# KiCad board pcb-rounded.kicad_pcb (continued)
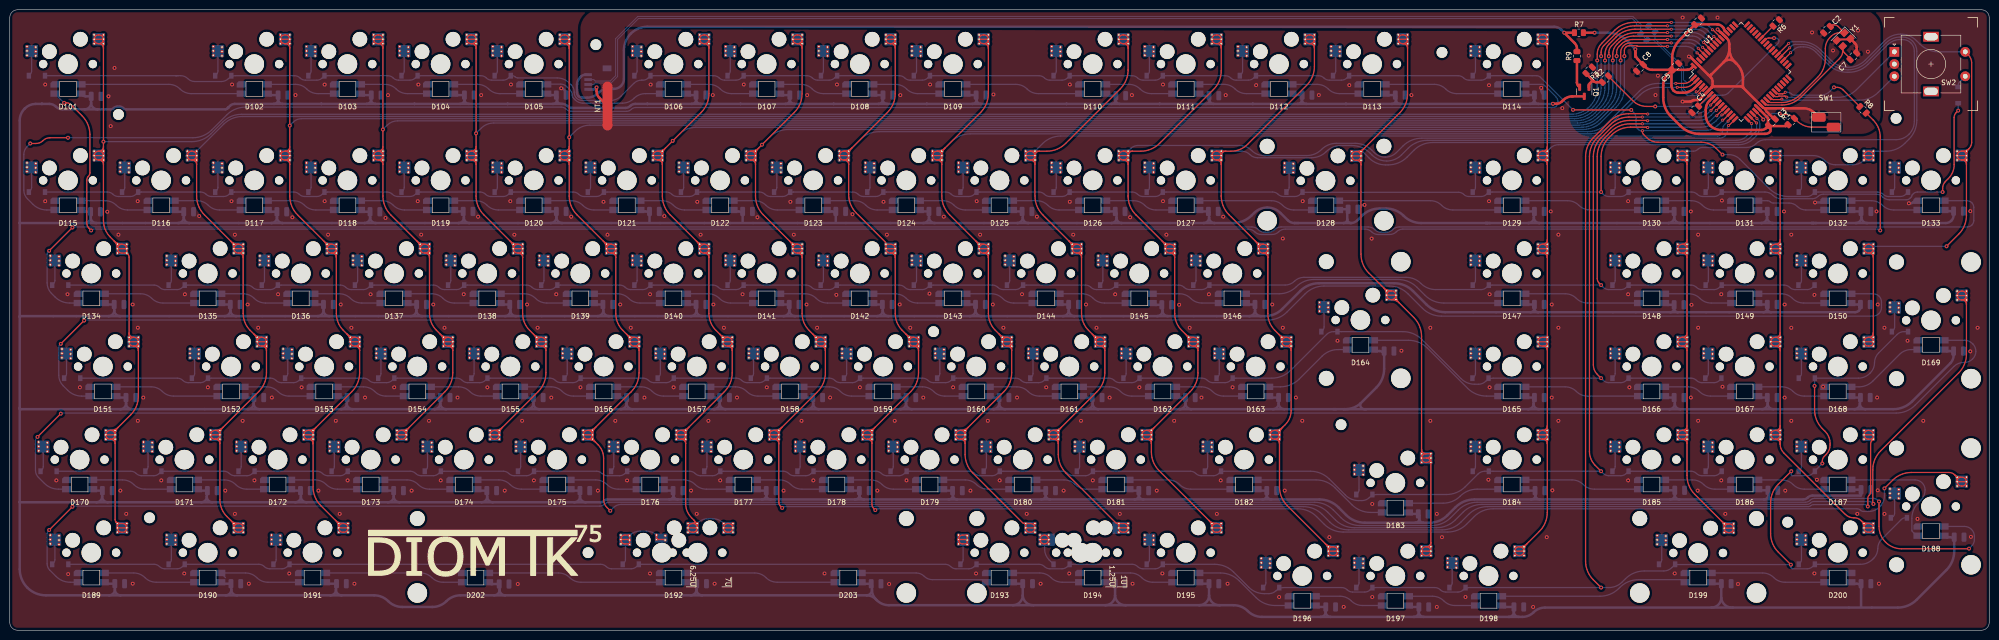
[diagram p0: board, top side]
## Placement (name value [footprint] x y rotation side) (continued)
MX78  MX-NoLED  [Kailh-Hotswap-1U]  169.07 34.93 0 top
MX79  MX-NoLED  [Kailh-Hotswap-1U]  188.12 34.93 0 top
MX80  MX-NoLED  [Kailh-Hotswap-1U]  207.17 34.93 0 top
MX81  MX-NoLED  [Kailh-Hotswap-1U]  226.22 34.93 0 top
MX82  MX-NoLED  [Kailh-Hotswap-1.75U]  252.41 34.93 0 top
MX83  MX-NoLED  [Kailh-Hotswap-1U]  283.37 30.16 0 top
MX84  MX-NoLED  [Kailh-Hotswap-1U]  307.18 34.93 0 top
MX85  MX-NoLED  [Kailh-Hotswap-1U]  335.76 34.93 0 top
MX86  MX-NoLED  [Kailh-Hotswap-1U]  354.81 34.93 0 top
MX87  MX-NoLED  [Kailh-Hotswap-1U]  373.86 34.93 0 top
MX88  MX-NoLED  [Kailh-Hotswap-2U-Vertical]  392.91 25.4 0 top
MX89  MX-NoLED  [Kailh-Hotswap-1.5U]  16.67 15.88 0 top
MX90  MX-NoLED  [Kailh-Hotswap-1U]  40.48 15.88 0 top
MX91  MX-NoLED  [Kailh-Hotswap-1.25U]  61.91 15.88 0 top
MX92  MX-NoLED  [Kailh-Hotswap-6.25U-7U]  133.35 15.88 0 top
MX93  MX-NoLED  [Kailh-Hotswap-1U]  202.41 15.88 0 top
MX94  MX-NoLED  [Kailh-Hotswap-1U-1.25U]  221.46 15.88 0 top
MX95  MX-NoLED  [Kailh-Hotswap-1U]  240.51 15.88 0 top
MX96  MX-NoLED  [Kailh-Hotswap-1U]  264.32 11.11 0 top
MX97  MX-NoLED  [Kailh-Hotswap-1U]  283.37 11.11 0 top
MX98  MX-NoLED  [Kailh-Hotswap-1U]  302.42 11.11 0 top
MX99  MX-NoLED  [Kailh-Hotswap-2U]  345.28 15.88 0 top
MX100  MX-NoLED  [Kailh-Hotswap-1U]  373.86 15.88 0 top
NT1  NetTie_3  [NetTie-3_SMD_Pad2.0mm]  122.24 107.31 90 top
Q1  2N7002  [SOT-23]  322 110.21 270 top
R1  10k  [R_0805_2012Metric]  364.33 104.13 45 top
R2  10k  [R_0805_2012Metric]  326.3 112.81 45 top
R3  10k  [R_0805_2012Metric]  323 114.61 225 top
R4  22  [R_0805_2012Metric]  334.17 121.44 135 bottom
R5  22  [R_0805_2012Metric]  335.8 123.11 135 bottom
R6  10k  [R_0805_2012Metric]  361.24 124.31 225 top
R7  60  [R_0805_2012Metric]  320.9 122.31 0 top
R8  50  [R_0805_2012Metric]  379 106.51 315 top
R9  46  [R_0805_2012Metric]  320.5 117.51 90 top
SW1  SW_Push  [switch_without_switch]  371.48 103.98 0 top
SW2  RotaryEncoder_Switch  [RotaryEncoder_EC11E-Switch]  392.91 115.89 0 top
U1  AT90USB1286-AU  [TQFP-64_14x14mm_P0.8mm]  354.08 114.3 45 top
Y1  Crystal_GND24_Small  [Crystal_SMD_3225-4Pin_3.2x2.5mm]  375.03 120.91 225 top

## Library data of the parts
C1 C9-C109 = -: LCSC Part: C476766
C2 C7 = -: LCSC Part: C376875
C3 C5 C6 = -: LCSC Part: C38141
C4 = -: LCSC Part: C713511
C8 = -: LCSC Part: C307525
D1 = -: Item: 1N4148W; LCSC: https://lcsc.com/product-detail/Switching-Diode_GOODWORK-1N4148W_C909967.html; LCSC Part: C77978; Name: Esc
D2 = -: LCSC Part: C77978; Name: F1
D3 = -: LCSC Part: C77978; Name: F2
D4 = -: LCSC Part: C77978; Name: F3
D5 = -: LCSC Part: C77978; Name: F4
D6 = -: LCSC Part: C77978; Name: F5
D7 = -: LCSC Part: C77978; Name: F6
D8 = -: LCSC Part: C77978; Name: F7
D9 = -: LCSC Part: C77978; Name: F8
D10 = -: LCSC Part: C77978; Name: F9
D11 = -: LCSC Part: C77978; Name: F10
D12 = -: LCSC Part: C77978; Name: F11
D13 = -: LCSC Part: C77978; Name: F12
D14 = -: LCSC Part: C77978; Name: Print
D15 = -: LCSC Part: C77978; Name: ^
D16 D85 = -: LCSC Part: C77978; Name: 1
D17 D86 = -: LCSC Part: C77978; Name: 2
D18 D87 = -: LCSC Part: C77978; Name: 3
D19 D66 = -: LCSC Part: C77978; Name: 4
D20 D67 = -: LCSC Part: C77978; Name: 5
D21 D68 = -: LCSC Part: C77978; Name: 6
D22 D48 = -: LCSC Part: C77978; Name: 7
D23 D49 = -: LCSC Part: C77978; Name: 8
D24 D50 = -: LCSC Part: C77978; Name: 9
D25 D99 = -: LCSC Part: C77978; Name: 0
D26 D33 = -: LCSC Part: C77978; Name: -
D27 = -: LCSC Part: C77978; Name: =
D28 = -: LCSC Part: C77978; Name: Back
D29 = -: LCSC Part: C77978; Name: Insert
D30 = -: LCSC Part: C77978; Name: NumLock
D31 D81 = -: LCSC Part: C77978; Name: /
D32 = -: LCSC Part: C77978; Name: *
D34 = -: LCSC Part: C77978; Name: Tab
D35 = -: LCSC Part: C77978; Name: Q
D36 = -: LCSC Part: C77978; Name: W
D37 = -: LCSC Part: C77978; Name: E
D38 = -: LCSC Part: C77978; Name: R
D39 = -: LCSC Part: C77978; Name: T
D40 = -: LCSC Part: C77978; Name: Z
D41 = -: LCSC Part: C77978; Name: U
D42 = -: LCSC Part: C77978; Name: I
D43 = -: LCSC Part: C77978; Name: O
D44 = -: LCSC Part: C77978; Name: P
D45 = -: LCSC Part: C77978; Name: [
D46 = -: LCSC Part: C77978; Name: ]
D47 = -: LCSC Part: C77978; Name: Del
D51 = -: LCSC Part: C77978; Name: Caps
D52 = -: LCSC Part: C77978; Name: A
D53 = -: LCSC Part: C77978; Name: S
D54 = -: LCSC Part: C77978; Name: D
D55 = -: LCSC Part: C77978; Name: F
D56 = -: LCSC Part: C77978; Name: G
D57 = -: LCSC Part: C77978; Name: H
D58 = -: LCSC Part: C77978; Name: J
D59 = -: LCSC Part: C77978; Name: K
D60 = -: LCSC Part: C77978; Name: L
D61 = -: LCSC Part: C77978; Name: ;
D62 = -: LCSC Part: C77978; Name: '
D63 = -: LCSC Part: C77978; Name: #
D64 D88 = -: LCSC Part: C77978; Name: Enter
D65 = -: LCSC Part: C77978; Name: PgUp
D69 = -: LCSC Part: C77978; Name: +
D70 D82 = -: LCSC Part: C77978; Name: Shift
D71 = -: LCSC Part: C77978; Name: \
D72 = -: LCSC Part: C77978; Name: Y
D73 = -: LCSC Part: C77978; Name: X
D74 = -: LCSC Part: C77978; Name: C
D75 = -: LCSC Part: C77978; Name: V
D76 = -: LCSC Part: C77978; Name: B
D77 = -: LCSC Part: C77978; Name: N
D78 = -: LCSC Part: C77978; Name: M
D79 D100 = -: LCSC Part: C77978; Name: ,
D80 = -: LCSC Part: C77978; Name: .
D83 = -: LCSC Part: C77978; Name: Up
D84 = -: LCSC Part: C77978; Name: PgDn
D89 = -: LCSC Part: C77978; Name: Ctrl
D90 D95 = -: LCSC Part: C77978; Name: Win
D91 = -: LCSC Part: C77978; Name: Alt
D92 = -: LCSC Part: C77978; Name: Space
D93 = -: LCSC Part: C77978; Name: AltGr
D94 = -: LCSC Part: C77978; Name: Fn
D96 = -: LCSC Part: C77978; Name: Left
D97 = -: LCSC Part: C77978; Name: Down
D98 = -: LCSC Part: C77978; Name: Rigth
D201 = -: LCSC Part: C77978; Name: Rotary
Q1 = -: LCSC Part: C916396
R1-R3 R6 R9 = -: LCSC Part: C2907219
R4 R5 = -: LCSC Part: C2933536
SW2 = -: LCSC Part: C470754
Y1 = -: LCSC Part: C293959

## Footprints (pads in the part's own frame, mm; a bottom-side part is the same pattern mirrored in y, then rotated)
C_0805_2012Metric
  rrect 1x1.45 smd: 1(-0.95,0) 2(0.95,0)
Crystal_SMD_3225-4Pin_3.2x2.5mm
  rect 1.4x1.2 smd: 1(-1.1,-0.85) 2(1.1,-0.85) 3(1.1,0.85) 4(-1.1,0.85)
D_SOD-123
  rect 0.9x1.2 smd: 1(-1.65,0) 2(1.65,0)
JST-SR-4
  rect 1.2x1.8 smd: (-2.8,0.9) (2.8,0.9)
  rect 0.6x1.55 smd: 1(-1.5,4.775) 2(-0.5,4.775) 3(0.5,4.775) 4(1.5,4.775)
Kailh-Hotswap-1.5U
  round 1.702 hole 1.702 unplated: (-5.08,0) (5.08,0)
  round 3 hole 3 unplated: (-3.81,2.54) (2.54,5.08)
  round 3.988 hole 3.988 unplated: (0,0)
  round 0.6 hole 0.3: 1(5.35,5.975) 1(5.35,5.075) 1(5.35,4.175) 1(7.25,5.975) 1(7.25,5.075) 1(7.25,4.175) 2(-8.38,3.595) 2(-8.38,2.695) 2(-8.38,1.795) 2(-6.6,3.475) 2(-6.6,2.575) 2(-6.6,1.675)
  rect 2.55x2.5 smd far side: 1(6.29,5.08) 2(-7.44,2.66)
Kailh-Hotswap-1.25U
  round 1.702 hole 1.702 unplated: (-5.08,0) (5.08,0)
  round 3 hole 3 unplated: (-3.81,2.54) (2.54,5.08)
  round 3.988 hole 3.988 unplated: (0,0)
  round 0.6 hole 0.3: 1(5.35,5.975) 1(5.35,5.075) 1(5.35,4.175) 1(7.25,5.975) 1(7.25,5.075) 1(7.25,4.175) 2(-8.38,3.595) 2(-8.38,2.695) 2(-8.38,1.795) 2(-6.6,3.475) 2(-6.6,2.575) 2(-6.6,1.675)
  rect 2.55x2.5 smd far side: 1(6.29,5.08) 2(-7.44,2.66)
Kailh-Hotswap-1.75U
  round 1.702 hole 1.702 unplated: (-5.08,0) (5.08,0)
  round 3 hole 3 unplated: (-3.81,2.54) (2.54,5.08)
  round 3.988 hole 3.988 unplated: (0,0)
  round 0.6 hole 0.3: 1(5.35,5.975) 1(5.35,5.075) 1(5.35,4.175) 1(7.25,5.975) 1(7.25,5.075) 1(7.25,4.175) 2(-8.38,3.595) 2(-8.38,2.695) 2(-8.38,1.795) 2(-6.6,3.475) 2(-6.6,2.575) 2(-6.6,1.675)
  rect 2.55x2.5 smd far side: 1(6.29,5.08) 2(-7.44,2.66)
Kailh-Hotswap-1U
  round 1.702 hole 1.702 unplated: (-5.08,0) (5.08,0)
  round 3 hole 3 unplated: (-3.81,2.54) (2.54,5.08)
  round 3.988 hole 3.988 unplated: (0,0)
  round 0.6 hole 0.3: 1(5.35,5.975) 1(5.35,5.075) 1(5.35,4.175) 1(7.25,5.975) 1(7.25,5.075) 1(7.25,4.175) 2(-8.38,3.595) 2(-8.38,2.695) 2(-8.38,1.795) 2(-6.6,3.475) 2(-6.6,2.575) 2(-6.6,1.675)
  rect 2.55x2.5 smd far side: 1(6.29,5.08) 2(-7.44,2.66)
Kailh-Hotswap-1U-1.25U
  round 1.702 hole 1.702 unplated: (-7.461,0) (-5.08,0) (2.699,0) (5.08,0)
  round 3 hole 3 unplated: (-6.191,2.54) (-3.81,2.54) (0.159,5.08) (2.54,5.08)
  round 3.988 hole 3.988 unplated: (-2.381,0) (0,0)
  round 0.6 hole 0.3: 1(5.35,5.975) 1(5.35,5.075) 1(5.35,4.175) 1(7.25,5.975) 1(7.25,5.075) 1(7.25,4.175) 2(-10.761,3.595) 2(-10.761,2.695) 2(-10.761,1.795) 2(-8.981,3.595) 2(-8.981,2.66) 2(-8.981,1.795)
  rect 3.501x2.5 smd far side: 1(5.814,5.08)
  rect 3.349x2.5 smd far side: 2(-9.422,2.66)
Kailh-Hotswap-2U
  round 3.048 hole 3.048 unplated: (-11.938,6.985) (11.938,6.985)
  round 3.988 hole 3.988 unplated: (-11.938,-8.255) (0,-0.066) (11.938,-8.255)
  round 1.702 hole 1.702 unplated: (-5.08,-0.066) (5.08,-0.066)
  round 3 hole 3 unplated: (-3.81,2.474) (2.54,5.014)
  round 0.6 hole 0.3: 1(5.35,5.909) 1(5.35,5.009) 1(5.35,4.109) 1(7.25,5.909) 1(7.25,5.009) 1(7.25,4.109) 2(-8.38,3.529) 2(-8.38,2.629) 2(-8.38,1.729) 2(-6.6,3.409) 2(-6.6,2.509) 2(-6.6,1.609)
  rect 2.55x2.5 smd far side: 1(6.29,5.014) 2(-7.44,2.594)
Kailh-Hotswap-2U-Vertical
  round 3.048 hole 3.048 unplated: (-7.051,11.872) (-7.051,-12.004)
  round 1.702 hole 1.702 unplated: (-5.08,-0.066) (5.08,-0.066)
  round 3 hole 3 unplated: (-3.81,2.474) (2.54,5.014)
  round 3.988 hole 3.988 unplated: (0,-0.066) (8.189,11.872) (8.189,-12.004)
  round 0.6 hole 0.3: 1(5.35,5.909) 1(5.35,5.009) 1(5.35,4.109) 1(7.25,5.909) 1(7.25,5.009) 1(7.25,4.109) 2(-8.38,3.529) 2(-8.38,2.629) 2(-8.38,1.729) 2(-6.6,3.409) 2(-6.6,2.509) 2(-6.6,1.609)
  rect 2.55x2.5 smd far side: 1(6.29,5.014) 2(-7.44,2.594)
Kailh-Hotswap-6.25U-7U
  round 3.048 hole 3.048 unplated: (-50,6.985) (50,6.985) (64.438,6.985)
  round 3.988 hole 3.988 unplated: (-50,-8.255) (0,0) (7.287,0) (50,-8.255) (64.438,-8.255)
  round 1.702 hole 1.702 unplated: (-5.08,0) (2.208,0) (5.08,0) (12.367,0)
  round 3 hole 3 unplated: (-3.81,2.54) (2.54,5.08) (3.478,2.54) (9.828,5.08)
  round 0.6 hole 0.3: 1(5.35,5.975) 1(5.35,5.075) 1(5.35,4.175) 1(7.25,5.975) 1(7.25,5.075) 1(7.25,4.175) 1(12.637,5.975) 1(12.637,5.075) 1(12.637,4.175) 1(14.537,5.975) 1(14.537,5.075) 1(14.537,4.175) 2(-8.38,3.595) 2(-8.38,2.695) 2(-8.38,1.795) 2(-6.6,3.475) 2(-6.6,2.575) 2(-6.6,1.675) 2(-1.093,3.595) 2(-1.093,2.695) 2(0.688,3.475) 2(0.688,2.575)
  rect 2.55x2.5 smd far side: 1(6.29,5.08) 1(13.578,5.08) 2(-7.44,2.66)
  rect 2.571x1.878 smd far side: 2(-0.142,2.971)
Kailh-Hotswap-EnterISO
  round 3.048 hole 3.048 unplated: (-6.985,11.938) (-6.985,-11.938)
  round 1.702 hole 1.702 unplated: (-5.08,0) (5.08,0)
  round 3 hole 3 unplated: (-3.81,2.54) (2.54,5.08)
  round 3.988 hole 3.988 unplated: (0,0) (8.255,11.938) (8.255,-11.938)
  round 0.6 hole 0.3: 1(5.35,5.975) 1(5.35,5.075) 1(5.35,4.175) 1(7.25,5.975) 1(7.25,5.075) 1(7.25,4.175) 2(-8.38,3.595) 2(-8.38,2.695) 2(-8.38,1.795) 2(-6.6,3.475) 2(-6.6,2.575) 2(-6.6,1.675)
  rect 2.55x2.5 smd far side: 1(6.29,5.08) 2(-7.44,2.66)
led_capacitor
  rrect 1x1.9 smd: 1(-1,0) 2(1,0)
MountingHole_2.2mm_M2
  round 2.2 hole 2.2 unplated: (0,0)
NetTie-3_SMD_Pad2.0mm
  round 2 smd: 1(-4,0) 2(0,0) 3(4,0)
R_0805_2012Metric
  rrect 1.025x1.4 smd: 1(-0.912,0) 2(0.912,0)
RotaryEncoder_EC11E-Switch
  rect 2x2 hole 1: A(-7.5,2.5)
  round 2 hole 1: B(-7.5,-2.5) C(-7.5,0) S1(7,-2.5) S2(7,2.5)
  rect 3.2x2 hole 2.8x1.5: MP(0,5.6) MP(0,-5.6)
SK6812MINI_3.4x3.0mm_SMD-Back-Flipped
  rect 1.85x1.28 smd far side: 1(2.675,-6.06)
  rect 1.85x1.31 smd far side: 2(2.675,-4.155)
  rrect 1.85x1.32 smd far side: 3(-2.675,-4.16)
  rect 1.85x1.3 smd far side: 4(-2.675,-6.05)
SOT-23
  rrect 1.475x0.6 smd: 1(-0.938,0.95) 2(-0.938,-0.95) 3(0.938,0)
switch_without_switch
  rrect 2.8x1.8 smd: 1(-1.5,1) 2(1.5,-1)
TQFP-64_14x14mm_P0.8mm
  rect 1.5x0.55 smd: 1(-7.7,6) 2(-7.7,5.2) 3(-7.7,4.4) 4(-7.7,3.6) 5(-7.7,2.8) 6(-7.7,2) 7(-7.7,1.2) 8(-7.7,0.4) 9(-7.7,-0.4) 10(-7.7,-1.2) 11(-7.7,-2) 12(-7.7,-2.8) 13(-7.7,-3.6) 14(-7.7,-4.4) 15(-7.7,-5.2) 16(-7.7,-6) 33(7.7,-6) 34(7.7,-5.2) 35(7.7,-4.4) 36(7.7,-3.6) 37(7.7,-2.8) 38(7.7,-2) 39(7.7,-1.2) 40(7.7,-0.4) 41(7.7,0.4) 42(7.7,1.2) 43(7.7,2) 44(7.7,2.8) 45(7.7,3.6) 46(7.7,4.4) 47(7.7,5.2) 48(7.7,6)
  rect 0.55x1.5 smd: 17(-6,-7.7) 18(-5.2,-7.7) 19(-4.4,-7.7) 20(-3.6,-7.7) 21(-2.8,-7.7) 22(-2,-7.7) 23(-1.2,-7.7) 24(-0.4,-7.7) 25(0.4,-7.7) 26(1.2,-7.7) 27(2,-7.7) 28(2.8,-7.7) 29(3.6,-7.7) 30(4.4,-7.7) 31(5.2,-7.7) 32(6,-7.7) 49(6,7.7) 50(5.2,7.7) 51(4.4,7.7) 52(3.6,7.7) 53(2.8,7.7) 54(2,7.7) 55(1.2,7.7) 56(0.4,7.7) 57(-0.4,7.7) 58(-1.2,7.7) 59(-2,7.7) 60(-2.8,7.7) 61(-3.6,7.7) 62(-4.4,7.7) 63(-5.2,7.7) 64(-6,7.7)

## Nets
+5V: C3.1 C5.1 C6.1 C8.1 R1.1 R7.2 U1.3 U1.8 U1.21 U1.52 U1.64
/LED/5V: C1.1 C9.1 C10.1 C11.1 C12.1 C13.1 C14.1 C15.1 C16.1 C17.1 C18.1 C19.1 C20.1 C21.1 C22.1 C23.1 C24.1 C25.1 C26.1 C27.1 C28.1 C29.1 C30.1 C31.1 C32.1 C33.1 C34.1 C35.1 C36.1 C37.1 C38.1 C39.1 C40.1 C41.1 C42.1 C43.1 C44.1 C45.1 C46.1 C47.1 C48.1 C49.1 C50.1 C51.1 C52.1 C53.1 C54.1 C55.1 C56.1 C57.1 C58.1 C59.1 C60.1 C61.1 C62.1 C63.1 C64.1 C65.1 C66.1 C67.1 C68.1 C69.1 C70.1 C71.1 C72.1 C73.1 C74.1 C75.1 C76.1 C77.1 C78.1 C79.1 C80.1 C81.1 C82.1 C83.1 C84.1 C85.1 C86.1 C87.1 C88.1 C89.1 C90.1 C91.1 C92.1 C93.1 C94.1 C95.1 C96.1 C97.1 C98.1 C99.1 C100.1 C101.1 C102.1 C103.1 C104.1 C105.1 C106.1 C107.1 C108.1 C109.1 D101.1 D102.1 D103.1 D104.1 D105.1 D106.1 D107.1 D108.1 D109.1 D110.1 D111.1 D112.1 D113.1 D114.1 D115.1 D116.1 D117.1 D118.1 D119.1 D120.1 D121.1 D122.1 D123.1 D124.1 D125.1 D126.1 D127.1 D128.1 D129.1 D130.1 D131.1 D132.1 D133.1 D134.1 D135.1 D136.1 D137.1 D138.1 D139.1 D140.1 D141.1 D142.1 D143.1 D144.1 D145.1 D146.1 D147.1 D148.1 D149.1 D150.1 D151.1 D152.1 D153.1 D154.1 D155.1 D156.1 D157.1 D158.1 D159.1 D160.1 D161.1 D162.1 D163.1 D164.1 D165.1 D166.1 D167.1 D168.1 D169.1 D170.1 D171.1 D172.1 D173.1 D174.1 D175.1 D176.1 D177.1 D178.1 D179.1 D180.1 D181.1 D182.1 D183.1 D184.1 D185.1 D186.1 D187.1 D188.1 D189.1 D190.1 D191.1 D192.1 D193.1 D194.1 D195.1 D196.1 D197.1 D198.1 D199.1 D200.1 D202.1 D203.1 Q1.3
GND: C1.2 C9.2 C10.2 C11.2 C12.2 C13.2 C14.2 C15.2 C16.2 C17.2 C18.2 C19.2 C20.2 C21.2 C22.2 C23.2 C24.2 C25.2 C26.2 C27.2 C28.2 C29.2 C30.2 C31.2 C32.2 C33.2 C34.2 C35.2 C36.2 C37.2 C38.2 C39.2 C40.2 C41.2 C42.2 C43.2 C44.2 C45.2 C46.2 C47.2 C48.2 C49.2 C50.2 C51.2 C52.2 C53.2 C54.2 C55.2 C56.2 C57.2 C58.2 C59.2 C60.2 C61.2 C62.2 C63.2 C64.2 C65.2 C66.2 C67.2 C68.2 C69.2 C70.2 C71.2 C72.2 C73.2 C74.2 C75.2 C76.2 C77.2 C78.2 C79.2 C80.2 C81.2 C82.2 C83.2 C84.2 C85.2 C86.2 C87.2 C88.2 C89.2 C90.2 C91.2 C92.2 C93.2 C94.2 C95.2 C96.2 C97.2 C98.2 C99.2 C100.2 C101.2 C102.2 C103.2 C104.2 C105.2 C106.2 C107.2 C108.2 C109.2 D101.3 D102.3 D103.3 D104.3 D105.3 D106.3 D107.3 D108.3 D109.3 D110.3 D111.3 D112.3 D113.3 D114.3 D115.3 D116.3 D117.3 D118.3 D119.3 D120.3 D121.3 D122.3 D123.3 D124.3 D125.3 D126.3 D127.3 D128.3 D129.3 D130.3 D131.3 D132.3 D133.3 D134.3 D135.3 D136.3 D137.3 D138.3 D139.3 D140.3 D141.3 D142.3 D143.3 D144.3 D145.3 D146.3 D147.3 D148.3 D149.3 D150.3 D151.3 D152.3 D153.3 D154.3 D155.3 D156.3 D157.3 D158.3 D159.3 D160.3 D161.3 D162.3 D163.3 D164.3 D165.3 D166.3 D167.3 D168.3 D169.3 D170.3 D171.3 D172.3 D173.3 D174.3 D175.3 D176.3 D177.3 D178.3 D179.3 D180.3 D181.3 D182.3 D183.3 D184.3 D185.3 D186.3 D187.3 D188.3 D189.3 D190.3 D191.3 D192.3 D193.3 D194.3 D195.3 D196.3 D197.3 D198.3 D199.3 D200.3 D202.3 D203.3 NT1.1 SW2.C
GNDREF: C2.2 C3.2 C4.2 C5.2 C6.2 C7.2 C8.2 NT1.3 R3.1 R6.1 SW1.1 U1.6 U1.22 U1.53 U1.63 Y1.2 Y1.4
/LED/RGB_Data: R8.1 U1.27
/Power: J2.1 R7.1 R9.2
COL0: MX1.1 MX15.1 MX34.1 MX51.1 MX70.1 MX89.1 U1.54
COL1: MX16.1 MX35.1 MX52.1 MX71.1 MX90.1 U1.55
COL2: MX2.1 MX17.1 MX36.1 MX53.1 MX72.1 MX91.1 U1.56
COL3: MX3.1 MX18.1 MX37.1 MX54.1 MX73.1 U1.57
COL4: MX4.1 MX19.1 MX38.1 MX55.1 MX74.1 U1.58
COL5: MX5.1 MX20.1 MX39.1 MX56.1 MX69.1 MX75.1 U1.59
COL6: MX6.1 MX21.1 MX40.1 MX57.1 MX76.1 MX92.1 U1.60
COL7: MX7.1 MX22.1 MX41.1 MX58.1 MX77.1 MX87.1 U1.61
COL8: MX8.1 MX23.1 MX42.1 MX59.1 MX78.1 MX88.1 U1.1
COL9: MX9.1 MX24.1 MX43.1 MX60.1 MX79.1 MX93.1 U1.2
COL10: MX10.1 MX25.1 MX44.1 MX61.1 MX80.1 MX94.1 U1.15
COL11: MX11.1 MX26.1 MX45.1 MX62.1 MX81.1 MX95.1 U1.16
COL12: MX12.1 MX27.1 MX46.1 MX63.1 MX82.1 MX96.1 U1.17
COL13: MX13.1 MX28.1 MX64.1 MX83.1 MX97.1 U1.18
COL14: MX14.1 MX29.1 MX47.1 MX65.1 MX84.1 MX98.1 U1.19
COL15: MX30.1 MX48.1 MX66.1 MX85.1 MX99.1 U1.35
COL16: MX31.1 MX32.1 MX49.1 MX67.1 MX86.1 MX100.1 U1.36
COL17: MX33.1 MX50.1 MX68.1 SW2.S2 U1.37
D+: J2.3 R4.1 R4.2 U1.5
D-: J2.2 R5.1 R5.2 U1.4
ROT_A: SW2.A U1.26
ROT_B: SW2.B U1.25
ROW0: D1.1 D2.1 D3.1 D4.1 D5.1 D6.1 D7.1 D8.1 D9.1 D10.1 D11.1 D12.1 D13.1 D14.1 D32.1 D33.1 U1.14
ROW1: D15.1 D16.1 D17.1 D18.1 D19.1 D20.1 D21.1 D22.1 D23.1 D24.1 D25.1 D26.1 D27.1 D28.1 D29.1 D30.1 D31.1 D201.1 U1.13
ROW2: D34.1 D35.1 D36.1 D37.1 D38.1 D39.1 D40.1 D41.1 D42.1 D43.1 D44.1 D45.1 D46.1 D47.1 D48.1 D49.1 D50.1 U1.12
ROW3: D51.1 D52.1 D53.1 D54.1 D55.1 D56.1 D57.1 D58.1 D59.1 D60.1 D61.1 D62.1 D63.1 D64.1 D65.1 D66.1 D67.1 U1.11
ROW4: D70.1 D71.1 D72.1 D73.1 D74.1 D75.1 D76.1 D77.1 D78.1 D79.1 D80.1 D81.1 D82.1 D83.1 D84.1 D85.1 D86.1 U1.10
ROW5: D68.1 D69.1 D87.1 D88.1 D89.1 D90.1 D91.1 D92.1 D93.1 D94.1 D95.1 D96.1 D97.1 D98.1 D99.1 D100.1 U1.9
Net-(C2-Pad1): C2.1 U1.24 Y1.1
Net-(C4-Pad1): C4.1 U1.7
Net-(C7-Pad1): C7.1 U1.23 Y1.3
Net-(D1-Pad2): D1.2 MX1.2
Net-(D2-Pad2): D2.2 MX2.2
Net-(D3-Pad2): D3.2 MX3.2
Net-(D4-Pad2): D4.2 MX4.2
Net-(D5-Pad2): D5.2 MX5.2
Net-(D6-Pad2): D6.2 MX6.2
Net-(D7-Pad2): D7.2 MX7.2
Net-(D8-Pad2): D8.2 MX8.2
Net-(D9-Pad2): D9.2 MX9.2
Net-(D10-Pad2): D10.2 MX10.2
Net-(D11-Pad2): D11.2 MX11.2
Net-(D12-Pad2): D12.2 MX12.2
Net-(D13-Pad2): D13.2 MX13.2
Net-(D14-Pad2): D14.2 MX14.2
Net-(D15-Pad2): D15.2 MX15.2
Net-(D16-Pad2): D16.2 MX16.2
Net-(D17-Pad2): D17.2 MX17.2
Net-(D18-Pad2): D18.2 MX18.2
Net-(D19-Pad2): D19.2 MX19.2
Net-(D20-Pad2): D20.2 MX20.2
Net-(D21-Pad2): D21.2 MX21.2
Net-(D22-Pad2): D22.2 MX22.2
Net-(D23-Pad2): D23.2 MX23.2
Net-(D24-Pad2): D24.2 MX24.2
Net-(D25-Pad2): D25.2 MX25.2
Net-(D26-Pad2): D26.2 MX26.2
Net-(D27-Pad2): D27.2 MX27.2
Net-(D28-Pad2): D28.2 MX28.2
Net-(D29-Pad2): D29.2 MX29.2
Net-(D30-Pad2): D30.2 MX30.2
Net-(D31-Pad2): D31.2 MX31.2
Net-(D32-Pad2): D32.2 MX32.2
Net-(D33-Pad2): D33.2 MX33.2
Net-(D34-Pad2): D34.2 MX34.2
Net-(D35-Pad2): D35.2 MX35.2
Net-(D36-Pad2): D36.2 MX36.2
Net-(D37-Pad2): D37.2 MX37.2
Net-(D38-Pad2): D38.2 MX38.2
Net-(D39-Pad2): D39.2 MX39.2
Net-(D40-Pad2): D40.2 MX40.2
Net-(D41-Pad2): D41.2 MX41.2
Net-(D42-Pad2): D42.2 MX42.2
Net-(D43-Pad2): D43.2 MX43.2
Net-(D44-Pad2): D44.2 MX44.2
Net-(D45-Pad2): D45.2 MX45.2
Net-(D46-Pad2): D46.2 MX46.2
Net-(D47-Pad2): D47.2 MX47.2
Net-(D48-Pad2): D48.2 MX48.2
Net-(D49-Pad2): D49.2 MX49.2
Net-(D50-Pad2): D50.2 MX50.2
Net-(D51-Pad2): D51.2 MX51.2
Net-(D52-Pad2): D52.2 MX52.2
Net-(D53-Pad2): D53.2 MX53.2
Net-(D54-Pad2): D54.2 MX54.2
Net-(D55-Pad2): D55.2 MX55.2
Net-(D56-Pad2): D56.2 MX56.2
Net-(D57-Pad2): D57.2 MX57.2
Net-(D58-Pad2): D58.2 MX58.2
Net-(D59-Pad2): D59.2 MX59.2
Net-(D60-Pad2): D60.2 MX60.2
Net-(D61-Pad2): D61.2 MX61.2
Net-(D62-Pad2): D62.2 MX62.2
Net-(D63-Pad2): D63.2 MX63.2
Net-(D64-Pad2): D64.2 MX64.2
Net-(D65-Pad2): D65.2 MX65.2
Net-(D66-Pad2): D66.2 MX66.2
Net-(D67-Pad2): D67.2 MX67.2
Net-(D68-Pad2): D68.2 MX68.2
Net-(D69-Pad2): D69.2 MX69.2
Net-(D70-Pad2): D70.2 MX70.2
Net-(D71-Pad2): D71.2 MX71.2
Net-(D72-Pad2): D72.2 MX72.2
Net-(D73-Pad2): D73.2 MX73.2
Net-(D74-Pad2): D74.2 MX74.2
Net-(D75-Pad2): D75.2 MX75.2
Net-(D76-Pad2): D76.2 MX76.2
Net-(D77-Pad2): D77.2 MX77.2
Net-(D78-Pad2): D78.2 MX78.2
Net-(D79-Pad2): D79.2 MX79.2
Net-(D80-Pad2): D80.2 MX80.2
Net-(D81-Pad2): D81.2 MX81.2
Net-(D82-Pad2): D82.2 MX82.2
Net-(D83-Pad2): D83.2 MX83.2
Net-(D84-Pad2): D84.2 MX84.2
Net-(D85-Pad2): D85.2 MX85.2
Net-(D86-Pad2): D86.2 MX86.2
Net-(D87-Pad2): D87.2 MX87.2
Net-(D88-Pad2): D88.2 MX88.2
Net-(D89-Pad2): D89.2 MX89.2
Net-(D90-Pad2): D90.2 MX90.2
Net-(D91-Pad2): D91.2 MX91.2
Net-(D92-Pad2): D92.2 MX92.2
Net-(D93-Pad2): D93.2 MX93.2
Net-(D94-Pad2): D94.2 MX94.2
Net-(D95-Pad2): D95.2 MX95.2
Net-(D96-Pad2): D96.2 MX96.2
Net-(D97-Pad2): D97.2 MX97.2
Net-(D98-Pad2): D98.2 MX98.2
Net-(D99-Pad2): D99.2 MX99.2
Net-(D100-Pad2): D100.2 MX100.2
Net-(D101-Pad2): D101.2 D102.4
Net-(D101-Pad4): D101.4 R8.2
Net-(D102-Pad2): D102.2 D103.4
Net-(D103-Pad2): D103.2 D104.4
Net-(D104-Pad2): D104.2 D105.4
Net-(D105-Pad2): D105.2 D106.4
Net-(D106-Pad2): D106.2 D107.4
Net-(D107-Pad2): D107.2 D108.4
Net-(D108-Pad2): D108.2 D109.4
Net-(D109-Pad2): D109.2 D110.4
Net-(D110-Pad2): D110.2 D111.4
Net-(D111-Pad2): D111.2 D112.4
Net-(D112-Pad2): D112.2 D113.4
Net-(D113-Pad2): D113.2 D114.4
Net-(D114-Pad2): D114.2 D115.4
Net-(D115-Pad2): D115.2 D116.4
Net-(D116-Pad2): D116.2 D117.4
Net-(D117-Pad2): D117.2 D118.4
Net-(D118-Pad2): D118.2 D119.4
Net-(D119-Pad2): D119.2 D120.4
Net-(D120-Pad2): D120.2 D121.4
Net-(D121-Pad2): D121.2 D122.4
Net-(D122-Pad2): D122.2 D123.4
Net-(D123-Pad2): D123.2 D124.4
Net-(D124-Pad2): D124.2 D125.4
Net-(D125-Pad2): D125.2 D126.4
Net-(D126-Pad2): D126.2 D127.4
Net-(D127-Pad2): D127.2 D128.4
Net-(D128-Pad2): D128.2 D129.4
Net-(D129-Pad2): D129.2 D130.4
Net-(D130-Pad2): D130.2 D131.4
Net-(D131-Pad2): D131.2 D132.4
Net-(D132-Pad2): D132.2 D133.4
Net-(D133-Pad2): D133.2 D134.4
Net-(D134-Pad2): D134.2 D135.4
Net-(D135-Pad2): D135.2 D136.4
Net-(D136-Pad2): D136.2 D137.4
Net-(D137-Pad2): D137.2 D138.4
Net-(D138-Pad2): D138.2 D139.4
Net-(D139-Pad2): D139.2 D140.4
Net-(D140-Pad2): D140.2 D141.4
Net-(D141-Pad2): D141.2 D142.4
Net-(D142-Pad2): D142.2 D143.4
Net-(D143-Pad2): D143.2 D144.4
Net-(D144-Pad2): D144.2 D145.4
Net-(D145-Pad2): D145.2 D146.4
Net-(D146-Pad2): D146.2 D147.4
Net-(D147-Pad2): D147.2 D148.4
Net-(D148-Pad2): D148.2 D149.4
Net-(D149-Pad2): D149.2 D150.4
Net-(D150-Pad2): D150.2 D151.4
Net-(D151-Pad2): D151.2 D152.4
Net-(D152-Pad2): D152.2 D153.4
Net-(D153-Pad2): D153.2 D154.4
Net-(D154-Pad2): D154.2 D155.4
Net-(D155-Pad2): D155.2 D156.4
Net-(D156-Pad2): D156.2 D157.4
Net-(D157-Pad2): D157.2 D158.4
Net-(D158-Pad2): D158.2 D159.4
Net-(D159-Pad2): D159.2 D160.4
Net-(D160-Pad2): D160.2 D161.4
Net-(D161-Pad2): D161.2 D162.4
Net-(D162-Pad2): D162.2 D163.4
Net-(D163-Pad2): D163.2 D164.4
Net-(D164-Pad2): D164.2 D165.4
Net-(D165-Pad2): D165.2 D166.4
Net-(D166-Pad2): D166.2 D167.4
Net-(D167-Pad2): D167.2 D168.4
Net-(D168-Pad2): D168.2 D169.4
Net-(D169-Pad2): D169.2 D170.4
Net-(D170-Pad2): D170.2 D171.4
Net-(D171-Pad2): D171.2 D172.4
Net-(D172-Pad2): D172.2 D173.4
Net-(D173-Pad2): D173.2 D174.4
Net-(D174-Pad2): D174.2 D175.4
Net-(D175-Pad2): D175.2 D176.4
Net-(D176-Pad2): D176.2 D177.4
Net-(D177-Pad2): D177.2 D178.4
Net-(D178-Pad2): D178.2 D179.4
Net-(D179-Pad2): D179.2 D180.4
Net-(D180-Pad2): D180.2 D181.4
Net-(D181-Pad2): D181.2 D182.4
Net-(D182-Pad2): D182.2 D183.4
Net-(D183-Pad2): D183.2 D184.4
Net-(D184-Pad2): D184.2 D185.4
Net-(D185-Pad2): D185.2 D186.4
Net-(D186-Pad2): D186.2 D187.4
Net-(D187-Pad2): D187.2 D188.4
Net-(D188-Pad2): D188.2 D189.4
Net-(D189-Pad2): D189.2 D190.4
Net-(D190-Pad2): D190.2 D191.4
Net-(D191-Pad2): D191.2 D202.4
Net-(D192-Pad2): D192.2 D203.4
Net-(D192-Pad4): D192.4 D202.2
Net-(D193-Pad2): D193.2 D194.4
Net-(D193-Pad4): D193.4 D203.2
Net-(D194-Pad2): D194.2 D195.4
Net-(D195-Pad2): D195.2 D196.4
Net-(D196-Pad2): D196.2 D197.4
Net-(D197-Pad2): D197.2 D198.4
Net-(D198-Pad2): D198.2 D199.4
Net-(D199-Pad2): D199.2 D200.4
Net-(D201-Pad2): D201.2 SW2.S1
Net-(J2-Pad4): J2.4 NT1.2
Net-(Q1-Pad1): Q1.1 R2.1 R3.2
Net-(Q1-Pad2): Q1.2 R9.1
Net-(R1-Pad2): R1.2 SW1.2 U1.20
Net-(R2-Pad2): R2.2 U1.42
Net-(R6-Pad2): R6.2 U1.43

Pads without a net: D200 2; SW2 MP; U1 28 29 30 31 32 33 34 38 39 40 41 44 45 46 47 48 49 50 51 62

## Via types
v1: diameter 0.8, hole 0.4, Top to Bottom, 347 vias
v2: diameter 0.6, hole 0.3, Top to Bottom, 43 vias
